# Altium PCB CMRat_GEN2.8.PcbDoc (part 1 of 4) (continued)
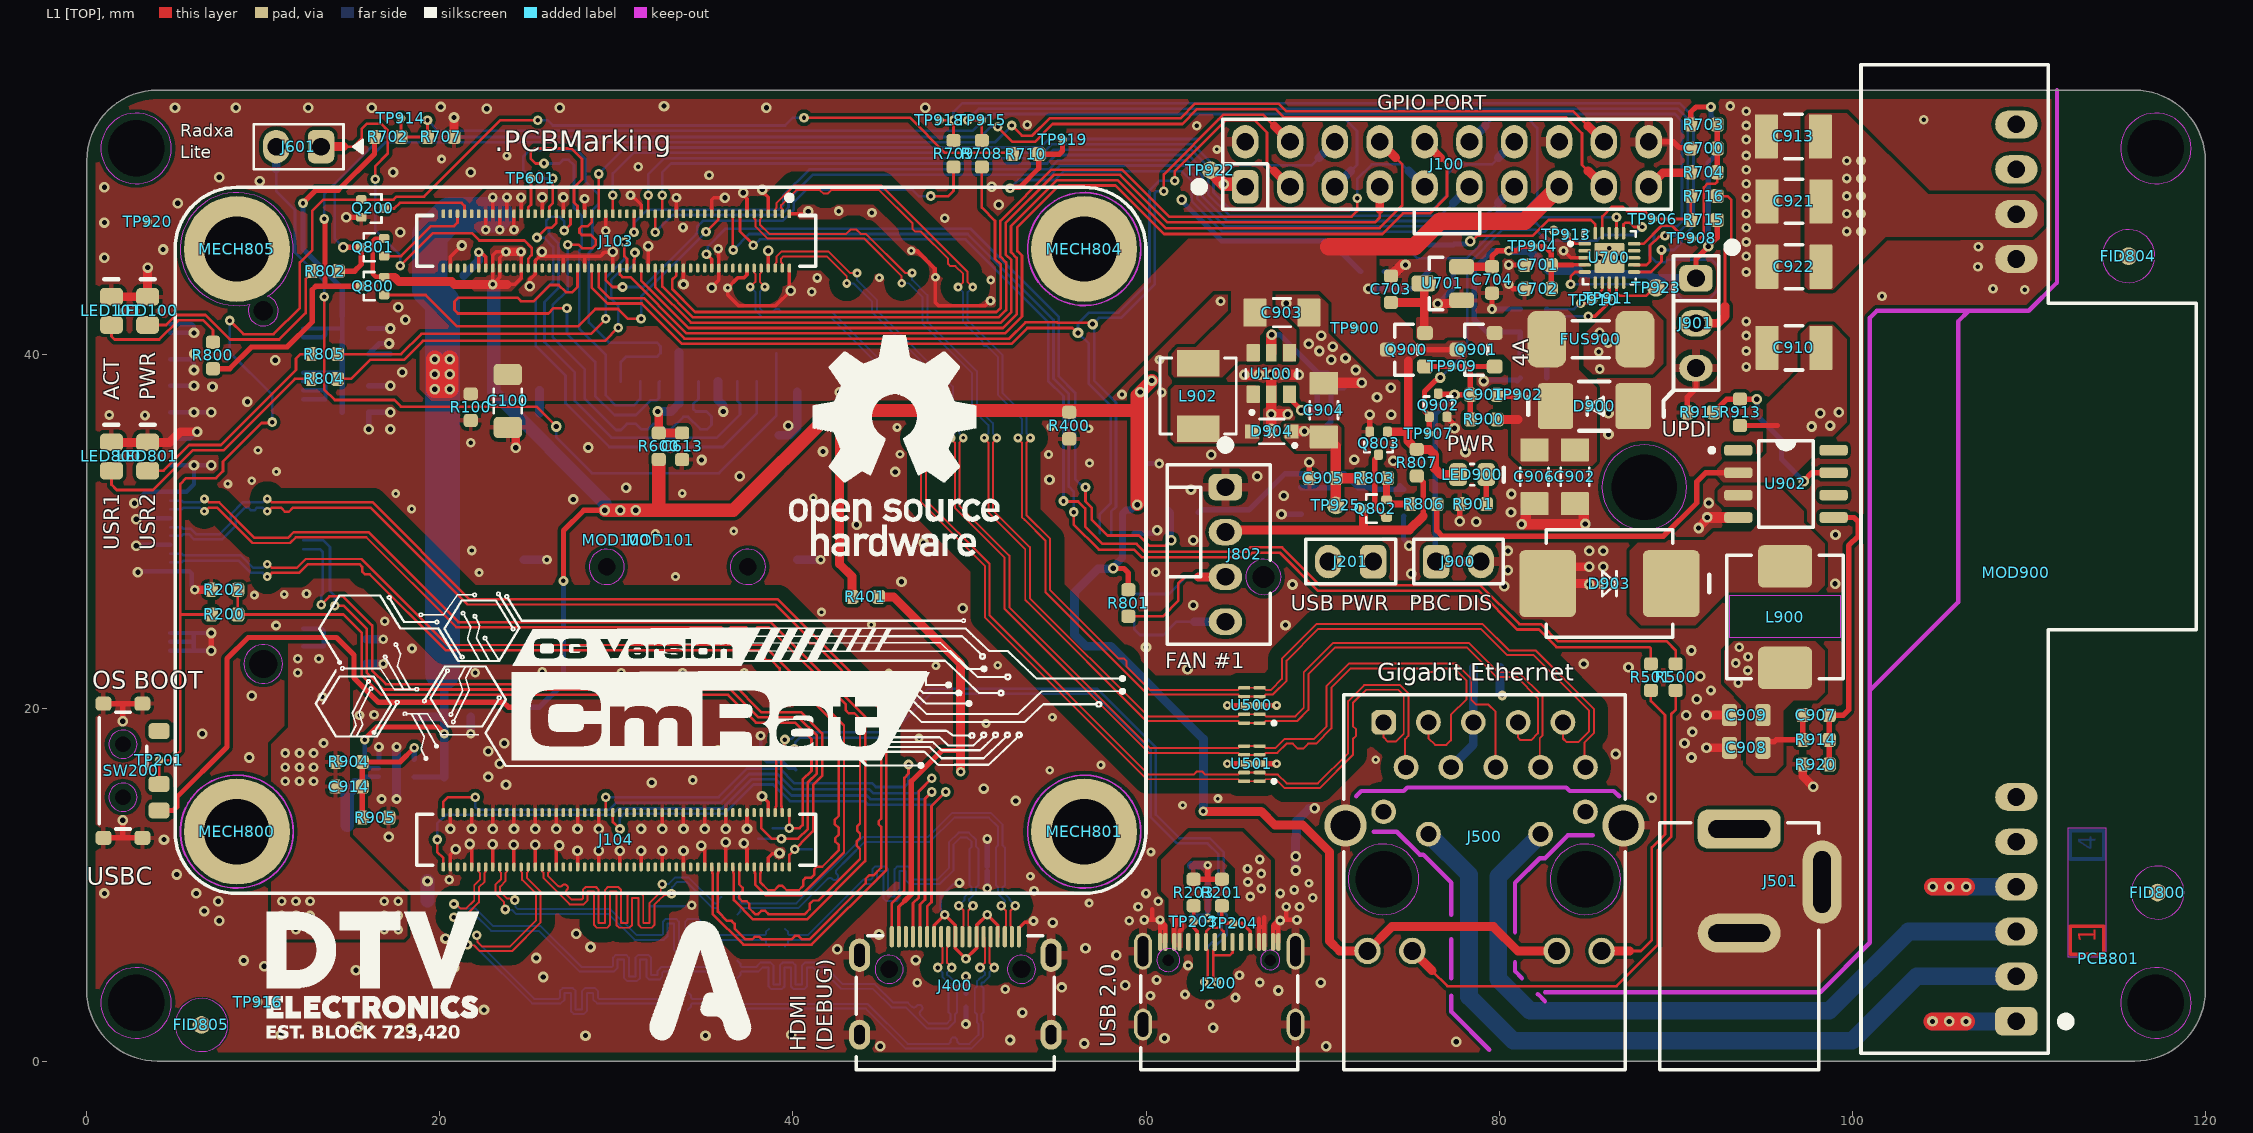
[diagram p0: L1 [TOP] view]
## Components (designator, comment, footprint, x,y, rotation, side; value= is the part's Value field where it differs from the comment) (continued)
MOD300 "MOD_SSD_NGFF" MOD_SSD_NGFF_2280_B+M_SAM_EVO850_H300 7.95,29.25 r0 bottom locked
MOD900 "DP9712" MOD_SDP_DP9700 109.3,30.2 r90 top locked
PCB801 "PCB_LAYER_STACKUP" PCB_STACKUP-4L_A2 114.5,5.8 r90 top
Q200 "DTC143ZE" PKG_SOT523_SC75_SOT416_P100_R 16.2,48.3 r270 top
Q800 "DTA143ZE" PKG_SOT523_SC75_SOT416_P100_R 16.2,43.9 r90 top
Q801 "DTA143ZE" PKG_SOT523_SC75_SOT416_P100_R 16.2,46.1 r90 top
Q802 "DTA143ZE" PKG_SOT523_SC75_SOT416_P100_R 72.975,31.3 r90 top
Q803 "DTC143ZE" PKG_SOT523_SC75_SOT416_P100_R 73.175,35 r180 top
Q900 "PMOS" PKG_SOT23-3_TO236 74.75,40.3 r90 top
Q901 "PMOS" PKG_SOT23-3_TO236 78.7,40.3 r90 top
Q902 "DTC143ZE" PKG_SOT523_SC75_SOT416_P100_R 76.55,37.15 r0 top
R100 "5k1" RES_0603_R 21.75,37.044 r270 top
R200 "1k" RES_0603_R 7.8,25.3 r180 top
R201 "5k1" RES_0603_R 64.3,9.55 r90 top
R202 "15k" RES_0603_R 7.8,26.7 r0 top
R203 "5k1" RES_0603_R 62.7,9.55 r90 top
R204 "DNP" RES_1206_R 71.625,25.8 r0 bottom
R205 "5k1" RES_0603_R 68.8,31.725 r270 bottom
R206 "100k" RES_0603_R 74.6,31.625 r90 bottom
R207 "1k" RES_0603_R 62.2,31.075 r0 bottom
R400 "2k" RES_0603_R 55.65,36 r90 top
R401 "0R" RES_0603_R 44.1,26.3 r180 top
R500 "470R" RES_0603_R 90,21.75 r270 top
R501 "470R" RES_0603_R 88.6,21.75 r270 top
R600 "0R" RES_0603_R 32.4,34.825 r270 top
R700 "2k" RES_0603_R 76.025,45.475 r90 bottom
R701 "2k" RES_0603_R 72.175,45.475 r90 bottom
R702 "2k" RES_0603_R 17.05,52.35 r0 top
R703 "15k" RES_0603_R 91.6,53.05 r180 top
R704 "470R" RES_0603_R 91.6,50.35 r0 top
R705 "2k" RES_0603_R 77.4,45.475 r270 bottom
R706 "20k" RES_0603_R 73.5,45.475 r90 bottom
R707 "20k" RES_0603_R 20.05,52.35 r180 top
R708 "2k" RES_0603_R 50.7,51.4 r270 top
R709 "2k" RES_0603_R 49.1,51.4 r270 top
R710 "2k" RES_0603_R 53.175,51.375 r0 top
R711 "DNP" RES_0603_R 81.95,40 r180 bottom
R712 "DNP" RES_0603_R 81.95,41.3 r180 bottom
R713 "1k" RES_0603_R 81.95,38.7 r0 bottom
R714 "1k" RES_0603_R 81.95,42.6 r0 bottom
R715 "15k" RES_0603_R 91.6,47.65 r0 top
R716 "100R" RES_0603_R 91.6,49 r180 top
R800 "15k" RES_0603_R 7.15,39.975 r270 top
R801 "36k" RES_0603_R 59,25.95 r90 top
R802 "2k" RES_0603_R 13.5,44.75 r0 top
R803 "0R" RES_0603_R 72.925,33.025 r180 top
R804 "15k" RES_0603_R 13.45,38.65 r180 top
R805 "2k" RES_0603_R 13.45,40.05 r180 top
R806 "0R" RES_0603_R 75.725,31.55 r0 top
R807 "0R" RES_0603_R 75.339,33.897 r90 top
R900 "15k" RES_0603_R 79.125,36.35 r0 top
R901 "15k" RES_0603_R 78.525,31.55 r0 top
R902 "300k" RES_0603_R 70.45,38.125 r180 bottom
R903 "5k1" RES_0603_R 70.45,36.85 r0 bottom
R904 "100k" RES_0603_R 14.85,16.95 r180 top
R905 "22k" RES_0603_R 16.35,13.8 r180 top
R913 "15k" RES_0603_R 93.65,36.75 r270 top
R914 "6.2k" RES_0603_R 97.95,18.2 r180 top
R915 "5k1" RES_0603_R 91.4,36.75 r180 top
R920 "2k" RES_0603_R 97.95,16.8 r180 top
SW200 "Slide switch" SWI_XKB_SS-3292S-L1 2.05,16.45 r270 top
TP200 "DEBUG" PCB_TP_DBG_50 38.85,13.2 r270 bottom
TP201 "DEBUG" PCB_TP_DBG_50 4.1,17.04 r90 top
TP203 "DEBUG" PCB_TP_DBG_50 62.7,7.9 r0 top
TP204 "DEBUG" PCB_TP_DBG_50 64.95,7.8 r0 top
TP300 "DEBUG" PCB_TP_DBG_50 38.05,12.6 r180 bottom
TP301 "DEBUG" PCB_TP_DBG_50 41.05,12 r270 bottom
TP303 "DEBUG" PCB_TP_DBG_50 18.25,6.3 r180 bottom
TP304 "ICT" PCB_TP_ICT_100 15.15,29.2 r180 bottom
TP409 "ICT" PCB_TP_ICT_100 49.5,17.6 r90 bottom
TP600 "DEBUG" PCB_TP_DBG_50 27.2,41.2 r90 bottom
TP601 "DEBUG" PCB_TP_DBG_50 25.161,50 r90 top
TP602 "DEBUG" PCB_TP_DBG_50 27.25,44.971 r90 bottom
TP603 "ICT" PCB_TP_ICT_100 33.55,40.15 r270 bottom
TP604 "DEBUG" PCB_TP_DBG_50 39.05,40.1 r90 bottom
TP605 "DEBUG" PCB_TP_DBG_50 16.35,48.25 r90 bottom
TP900 "DEBUG" PCB_TP_DBG_50 71.85,41.525 r270 top
TP902 "DEBUG" PCB_TP_DBG_50 81.075,37.75 r90 top
TP903 "ICT" PCB_TP_ICT_100 93.9,34.3 r90 bottom
TP904 "DEBUG" PCB_TP_DBG_50 81.9,46.15 r270 top
TP905 "ICT" PCB_TP_ICT_100 92.35,52.45 r270 bottom
TP906 "DEBUG" PCB_TP_DBG_50 88.7,47.7 r270 top
TP907 "DEBUG" PCB_TP_DBG_50 76.025,35.55 r270 top
TP908 "DEBUG" PCB_TP_DBG_50 90.905,46.601 r270 top
TP909 "DEBUG" PCB_TP_DBG_50 77.35,39.35 r270 top
TP910 "DEBUG" PCB_TP_DBG_50 85.324,43.102 r270 top
TP911 "DEBUG" PCB_TP_DBG_50 86.175,43.2 r270 top
TP913 "DEBUG" PCB_TP_DBG_50 83.809,46.819 r270 top
TP914 "DEBUG" PCB_TP_DBG_50 17.8,53.4 r270 top
TP915 "DEBUG" PCB_TP_DBG_50 50.7,53.3 r270 top
TP916 "DEBUG" PCB_TP_DBG_50 9.7,3.35 r225 top
TP917 "ICT" PCB_TP_ICT_100 65.7,2.5 r90 bottom
TP918 "DEBUG" PCB_TP_DBG_50 48.3,53.3 r270 top
TP919 "DEBUG" PCB_TP_DBG_50 55.275,52.2 r270 top
TP920 "DEBUG" PCB_TP_DBG_50 3.45,47.55 r315 top
TP921 "ICT" PCB_TP_ICT_100 62,2.75 r90 bottom
TP922 "ICT" PCB_TP_ICT_100 63.65,50.475 r0 top
TP923 "ICT" PCB_TP_ICT_100 88.9,43.8 r270 top
TP924 "ICT" PCB_TP_ICT_100 21.35,44.5 r180 bottom
TP925 "ICT" PCB_TP_ICT_100 70.75,31.475 r0 top
U100 "AP3031KTR-G1" PKG_SOT23-6_R 67.1,38.95 r0 top
U200 "RCLAMP0524PA" ICC_SLP2510P8_250X100X60_P50_R 63.5,9.6 r180 bottom
U201 "SY6280AAC" PKG_SOT23-5_R 71.625,31.45 r90 bottom
U400 "RCLAMP0524PA" ICC_SLP2510P8_250X100X60_P50_R 49.8,3.4 r180 bottom
U401 "RCLAMP0524PA" ICC_SLP2510P8_250X100X60_P50_R 51,11.137 r180 bottom
U500 "RCLAMP0524PA" ICC_SLP2510P8_250X100X60_P50_R 66,20.15 r90 top
U501 "RCLAMP0524PA" ICC_SLP2510P8_250X100X60_P50_R 66,16.85 r90 top
U700 "ATTINY806" ICC_QFN20_300X300X90_P40_EP_R 86.25,45.5 r270 top
U701 "AP2210N-3.3" PKG_SOT23-3L_SC59_P190_R 76.8,44.05 r90 top
U801 "EMC2301" ICC_TSSOP8_300X300X110P65 58.35,27.7 r0 bottom
U900 "AP3441/L" ICC_DFN8_200X200X90P50_EP_R 17.55,16.35 r270 bottom
U902 "TD1583" ICC_SO8_SOP8_490X390X160_P127_R 96.25,32.7 r270 top

## Footprints (in the part's own frame and the unit in brackets; to place one, negate y for a bottom-side part, rotate by r counter-clockwise, add the part's x,y. Pads: shape width x height; smd on the part's side, far side on the other; paste and mask are expansions set on the pad)
CAP_0402_R [mm] "Chip Capacitor, 2-Leads, Body 1,00x0,50mm, IPC Medium Density, Reflow Soldering"
  rrect24% 0.5x0.5 smd mask+0.085: 1(-0.45,0) 2(0.45,0)
  body extent -0.55,-0.3 0.55,0.3, height 0.56
CAP_0603_R [mm]
  rrect50% 0.75x0.8 smd: 1(-0.75,0) 2(0.75,0)
  body extent -0.8,-0.41 0.8,0.41, height 0.57
CAP_0805_R [mm]
  rrect40% 0.85x1.25 smd: 1(-0.95,0) 2(0.95,0)
  body extent -1,-0.62 1,0.63, height 0.6
CAP_1206_H190_R [mm] "Chip Capacitor, 2-Leads, Body 3,20x1,60mm, IPC Medium Density, Reflow Soldering"
  rrect8% 1.3x1.6 smd: 1(-1.525,0) 2(1.525,0)
  silkscreen extent -0.5,-0.8 0.5,0.8, body extent -1.75,-0.9 1.75,0.9, height 1.9
CAP_1206_R [mm]
  rrect40% 1.2x1.6 smd paste+0: 1(-1.5,0)
  rrect40% 1.2x1.6 smd: 2(1.5,0)
  silkscreen extent -0.7,-0.8 0.7,0.8, body extent -1.6,-0.8 1.6,0.8, height 0.79
CAP_1210_H280_R [mm] "Chip Capacitor, 2-Leads, Body 3,20x2,50mm, IPC Medium Density, Reflow Soldering"
  rrect8% 1.3x2.5 smd: 1(-1.525,0) 2(1.525,0)
  silkscreen extent -0.5,-1.25 0.5,1.25, body extent -1.85,-1.4 1.85,1.4, height 2.8
CON_GCT_MEM2055_R [mm]
  rrect50% 0.7x1.6 smd: 1(2.25,7) 2(1.15,7) 3(0.05,7) 4(-1.05,7) 5(-2.15,7) 6(-3.25,7) 7(-4.35,7) 8(-5.45,7) 9(-6.55,7)
  round 0 hole 1 unplated paste+0 mask+0.1: MH(-4.95,-3.5) MH(3.05,-3.5)
  rrect50% 1.2x1.4 smd: SH1(-7.75,6.4)
  rrect50% 1.2x2.2 smd: SH2(-7.75,-3.1) SH3(7.75,-3.1)
  rrect50% 1.6x1.4 smd: SH4(6.85,6.5)
  silkscreen extent -7.35,-7.5 7.35,8.47, body extent -8,-7.5 8,7.75, height 1.85
CON_HDR_P254_1X02_STR [mm]
  rrect50% 1.5x1.9 hole 1: 1(-1.27,0)
  oval 1.5x1.9 hole 1: 2(1.27,0)
  silkscreen extent -2.54,-1.27 2.54,1.27, body extent -2.54,-1.27 2.54,1.27, height 8.57
CON_HDR_P254_1X03_STR [mm]
  rrect50% 1.5x1.9 hole 1: 1(-2.54,0)
  oval 1.5x1.9 hole 1: 2(0,0) 3(2.54,0)
  silkscreen extent -4.55,-1.27 3.81,2.3, body extent -3.81,-1.27 3.81,1.27, height 8.57
CON_HDR_P254_2X10_STR [mm]
  rrect50% 1.5x1.9 hole 1: 1(-11.43,-1.275)
  oval 1.5x1.9 hole 1: 2(-11.43,1.275) 3(-8.89,-1.275) 4(-8.89,1.275) 5(-6.35,-1.275) 6(-6.35,1.275) 7(-3.81,-1.275) 8(-3.81,1.275) 9(-1.27,-1.275) 10(-1.27,1.275) 11(1.27,-1.275) 12(1.27,1.275) 13(3.81,-1.275) 14(3.81,1.275) 15(6.35,-1.275) 16(6.35,1.275) 17(8.89,-1.27) 18(8.89,1.275) 19(11.43,-1.275) 20(11.43,1.275)
  silkscreen extent -14.29,-2.55 12.7,2.55, body extent -12.7,-2.54 12.7,2.54, height 8.59
CON_HEADER_TMV_1X2_P254H857 [mm]
  rrect50% 1.5x1.9 hole 1: 1(-1.27,0)
  oval 1.5x1.9 hole 1: 2(1.27,0)
  silkscreen extent -3.62,-1.27 2.54,1.27, body extent -2.54,-1.27 2.54,1.27, height 8.57
CON_LPP_LPJG0926HENL [mm]
  rrect50% 1.4x1.4 hole 0.9: 1(-5.721,9.073)
  round 1.4 hole 0.9: 2(-4.451,6.533) 3(-3.181,9.073) 4(-1.911,6.533) 5(-0.641,9.073) 6(0.629,6.533) 7(1.899,9.073) 8(3.169,6.533) 9(4.439,9.073) 10(5.709,6.533) 11(-5.721,4.013) 12(-3.181,2.743) 13(3.169,2.743) 14(5.709,4.013)
  round 1.5 hole 1: 15(-6.636,-3.877) 16(-4.096,-3.877) 17(4.084,-3.877) 18(6.624,-3.877)
  round 0 hole 3.2 unplated mask+0.1: MH1(-5.721,0.183) MH2(5.709,0.183)
  round 2.4 hole 1.7: SH(-7.881,3.233) SH(7.869,3.233)
  silkscreen extent -7.97,-10.62 7.96,10.63, body extent -8.11,-10.63 8.11,10.63, height 13.45
CON_MLX_470531000 [mm]
  rrect50% 1.5x1.9 hole 1: 1(-3.81,0)
  oval 1.5x1.9 hole 1: 2(-1.27,0) 3(1.27,0) 4(3.81,0)
  round 0 hole 1.25 unplated mask+0.1: MH(1.27,2.16)
  silkscreen extent -6.45,-3.3 5.08,2.55, body extent -5.1,-3.3 5.1,2.54, height 10.1
CON_NGFF_KEY-M_P67_H420 [mm]
  rrect75% 0.3x1.55 smd: 1(-9.25,3.775) 2(-9,-3.775) 3(-8.75,3.775) 4(-8.5,-3.775) 5(-8.25,3.775) 6(-8,-3.775) 7(-7.75,3.775) 8(-7.5,-3.775) 9(-7.25,3.775) 10(-7,-3.775) 11(-6.75,3.775) 12(-6.5,-3.775) 13(-6.25,3.775) 14(-6,-3.775) 15(-5.75,3.775) 16(-5.5,-3.775) 17(-5.25,3.775) 18(-5,-3.775) 19(-4.75,3.775) 20(-4.5,-3.775) 21(-4.25,3.775) 22(-4,-3.775) 23(-3.75,3.775) 24(-3.5,-3.775) 25(-3.25,3.775) 26(-3,-3.775) 27(-2.75,3.775) 28(-2.5,-3.775) 29(-2.25,3.775) 30(-2,-3.775) 31(-1.75,3.775) 32(-1.5,-3.775) 33(-1.25,3.775) 34(-1,-3.775) 35(-0.75,3.775) 36(-0.5,-3.775) 37(-0.25,3.775) 38(0,-3.775) 39(0.25,3.775) 40(0.5,-3.775) 41(0.75,3.775) 42(1,-3.775) 43(1.25,3.775) 44(1.5,-3.775) 45(1.75,3.775) 46(2,-3.775) 47(2.25,3.775) 48(2.5,-3.775) 49(2.75,3.775) 50(3,-3.775) 51(3.25,3.775) 52(3.5,-3.775) 53(3.75,3.775) 54(4,-3.775) 55(4.25,3.775) 56(4.5,-3.775) 57(4.75,3.775) 58(5,-3.775) 67(7.25,3.775) 68(7.5,-3.775) 69(7.75,3.775) 70(8,-3.775) 71(8.25,3.775) 72(8.5,-3.775) 73(8.75,3.775) 74(9,-3.775) 75(9.25,3.775)
  rrect50% 1.2x2.75 smd: S1(-10.35,3) S2(10.35,3)
  round 0 hole 1.1 unplated mask+0.1: ""(-10,-1.5)
  round 0 hole 1.6 unplated mask+0.1: ""(10,-1.5)
  silkscreen extent -10.95,-4 10.95,5.22, body extent -10.95,-4.35 10.95,4.35, height 4.09
CON_XKB_A71-05H4-1X1N1 [mm] "Mini HDMI SMT Horizontal"
  rrect75% 0.23x1.2 smd: 1(3.6,3.75) 2(3.2,3.75) 3(2.8,3.75) 4(2.4,3.75) 5(2,3.75) 6(1.6,3.75) 7(1.2,3.75) 8(0.8,3.75) 9(0.4,3.75) 10(0,3.75) 11(-0.4,3.75) 12(-0.8,3.75) 13(-1.2,3.75) 14(-1.6,3.75) 15(-2,3.75) 16(-2.4,3.75) 17(-2.8,3.75) 18(-3.2,3.75) 19(-3.6,3.75)
  round 0 hole 1 unplated mask+0.1: MH1(-3.75,1.9) MH2(3.75,1.9)
  oval 1.2x1.7 hole 0.6 slot 1.1 at 90 deg: SH(-5.425,-1.8) SH(5.425,-1.8)
  oval 1.2x1.9 hole 0.6 slot 1.3 at 90 deg: SH(-5.425,2.7) SH(5.425,2.7)
  silkscreen extent -5.6,-3.8 5.6,3.8, body extent -5.62,-3.8 5.62,4.1, height 3.3
CON_XKB_DC-005-5A-2.0 [mm]
  rrect50% 2.2x4.7 hole 1 slot 3.5 at 90 deg: 1(5.9,0)
  oval 2.2x4.7 hole 1 slot 3.5 at 90 deg: 2(0,0)
  oval 4.7x2.2 hole 1 slot 3.5 at 0 deg: 3(2.9,-4.7)
  silkscreen extent -7.75,-4.5 6.25,4.5, body extent -7.75,-4.9 6.25,4.5, height 11.1
CON_XKB_U262-161N-4BVC11 [mm]
  rrect75% 0.25x1 smd: A1(-3.35,3.6) A4(-2.55,3.6) A5(-1.25,3.6) A6(-0.25,3.6) A7(0.25,3.6) A8(1.25,3.6) A9(2.55,3.6) A12(3.35,3.6) B1(3.05,3.6) B4(2.25,3.6) B5(1.75,3.6) B6(0.75,3.6) B7(-0.75,3.6) B8(-1.75,3.6) B9(-2.25,3.6) B12(-3.05,3.6)
  round 0 hole 0.65 unplated mask+0.1: MH1(-2.89,2.575) MH2(2.89,2.575)
  rrect100% 1x1.8 hole 0.6 slot 1.4 at 90 deg: SH(-4.32,-1.075) SH(4.32,-1.075)
  rrect100% 1x2.1 hole 0.6 slot 1.7 at 90 deg: SH(-4.32,3.075) SH(4.32,3.075)
  silkscreen extent -4.45,-3.65 4.45,1.67, body extent -4.45,-3.66 4.45,3.9, height 3.3
DIO_SMA_UNI_R [mm]
  rrect20% 2x2.6 smd: 1(-2.2,0)
  rrect20% 2x2.6 smd paste+0: 2(2.2,0)
  silkscreen extent -3.75,-1.4 0.85,1.4, body extent -2.74,-1.4 2.74,1.4, height 2.24
DIO_SMC_UNI_R [mm]
  rrect20% 3.2x3.8 smd: 1(-3.5,0) 2(3.5,0)
  silkscreen extent -5.65,-3.05 3.57,3.05, body extent -4.07,-3.05 4.06,3.05, height 2.4
DIO_SOD-323_R [mm] "Chip Diode SOD323, 2-Leads, Body 1,70x1,25mm, IPC Medium Density, Reflow Soldering"
  rrect3% 0.8x0.8 smd mask+0.085: A(1.125,0) K(-1.125,0)
  silkscreen extent -1.4,-0.7 0.7,0.9, body extent -1.3,-0.67 1.3,0.68, height 1.1
FUS_2410_R [mm]
  rrect50% 2.2x3.2 smd: 1(-2.5,0) 2(2.5,0)
  silkscreen extent -1.05,-1.05 1.06,1.05, body extent -3.05,-1.27 3.05,1.27, height 2.54
ICC_DFN8_200X200X90P50_EP_R [mm]
  rrect50% 0.3x0.8 smd: 1(-0.75,-1) 2(-0.25,-1) 3(0.25,-1) 4(0.75,-1) 5(0.75,1) 6(0.25,1) 7(-0.25,1) 8(-0.75,1)
  rrect50% 1.3x0.7 smd: EP(0,0)
  silkscreen extent -1,-1.95 1,0.3, body extent -1,-1.05 1,1.05, height 0.95
ICC_QFN20_300X300X90_P40_EP_R [mm]
  rrect75% 0.2x0.7 smd: 1(-0.8,-1.4) 2(-0.4,-1.4) 3(0,-1.4) 4(0.4,-1.4) 5(0.8,-1.4) 11(0.8,1.4) 12(0.4,1.4) 13(0,1.4) 14(-0.4,1.4) 15(-0.8,1.4)
  rrect75% 0.7x0.2 smd: 6(1.4,-0.8) 7(1.4,-0.4) 8(1.4,0) 9(1.4,0.4) 10(1.4,0.8) 16(-1.4,0.8) 17(-1.4,0.4) 18(-1.4,0) 19(-1.4,-0.4) 20(-1.4,-0.8)
  rrect10% 1.7x1.7 smd paste-10: EP(0,0)
  silkscreen extent -1.5,-2.3 1.5,1.5, body extent -1.5,-1.5 1.5,1.5, height 0.85
ICC_SLP2510P8_250X100X60_P50_R [mm]
  rrect50% 0.2x0.675 smd: 1(-1,-0.438) 2(-0.5,-0.438) 4(0.5,-0.437) 5(1,-0.437) 6(1,0.437) 7(0.5,0.437) 9(-0.5,0.437) 10(-1,0.437)
  rrect50% 0.4x0.775 smd: 3(0,-0.388) 8(0,0.387)
  silkscreen extent -1.1,-1.35 -0.9,-1.15, body extent -1.25,-0.5 1.25,0.51, height 0.56
ICC_SO8_SOP8_490X390X160_P127_R [mm]
  rrect50% 0.6x1.6 smd: 1(-1.905,-2.7) 2(-0.635,-2.7) 3(0.635,-2.7) 4(1.905,-2.7) 5(1.905,2.7) 6(0.635,2.7) 7(-0.635,2.7) 8(-1.905,2.7)
  silkscreen extent -2.45,-4.32 2.45,1.55, body extent -2.45,-3 2.45,3, height 1.75
ICC_TSSOP8_300X300X110P65 [mm] "TSOP, 8-pin, Body 3.00x3.00mm, Pitch 0.65mm"
  rrect50% 0.4x1.4 smd: 1(-0.975,-2.2) 2(-0.325,-2.2) 3(0.325,-2.2) 4(0.975,-2.2) 5(0.975,2.2) 6(0.325,2.2) 7(-0.325,2.2) 8(-0.975,2.2)
  silkscreen extent -1.87,-2.32 1.5,1.2, body extent -1.5,-2.45 1.5,2.45, height 1.1
IND_POWER_0402_R [mm]
  rect 1.5x2.4 smd: 1(-1.85,0) 2(1.85,0)
  silkscreen extent -2.15,-2.15 2.15,2.15, body extent -2,-2 2,2, height 1.8
IND_SUM_0624CDMCCDS_700X660X240_R [mm] "Molded Inductor, 2-Leads, Body 7,00x6,60mm, IPC Medium Density"
  rrect25% 2.4x3.05 smd: 1(-2.875,0) 2(2.875,0)
  silkscreen extent -3.5,-3.3 3.5,3.3, body extent -3.72,-3.3 3.72,3.3, height 2.4
IND_SUM_0630CDMCCDS_700X660X280_R [mm] "Molded Inductor, 2-Leads, Body 7,00x6,60mm, IPC Medium Density"
  rrect25% 2.4x3.05 smd: 1(-2.875,0) 2(2.875,0)
  silkscreen extent -3.5,-3.3 3.5,3.3, body extent -3.5,-3.3 3.5,3.3, height 3
LED_0805_GRN_R [mm]
  rrect50% 1x1.3 smd: 1(-0.8,0) 2(0.8,0)
  silkscreen extent -1.8,-0.6 0.1,0.6, body extent -1.01,-0.63 1.01,0.62, height 1.1
LED_0805_RED_R [mm]
  rrect50% 1x1.3 smd: 1(-0.8,0) 2(0.8,0)
  silkscreen extent -1.8,-0.6 0.1,0.6, body extent -1.01,-0.63 1.01,0.62, height 1.1
MOD_RPI_CM4_3D_C300_A1 [mm]
  body extent -20,-27.5 20,27.5, height 6.65
MOD_RPI_CM4_SOCKET_P40_C300 [mm]
  rrect75% 0.5x0.2 smd: 1(18.5,-7.3) 2(15.42,-7.3) 3(18.5,-6.9) 4(15.42,-6.9) 5(18.5,-6.5) 6(15.42,-6.5) 7(18.5,-6.1) 8(15.42,-6.1) 9(18.5,-5.7) 10(15.42,-5.7) 11(18.5,-5.3) 12(15.42,-5.3) 13(18.5,-4.9) 14(15.42,-4.9) 15(18.5,-4.5) 16(15.42,-4.5) 17(18.5,-4.1) 18(15.42,-4.1) 19(18.5,-3.7) 20(15.42,-3.7) 21(18.5,-3.3) 22(15.42,-3.3) 23(18.5,-2.9) 24(15.42,-2.9) 25(18.5,-2.5) 26(15.42,-2.5) 27(18.5,-2.1) 28(15.42,-2.1) 29(18.5,-1.7) 30(15.42,-1.7) 31(18.5,-1.3) 32(15.42,-1.3) 33(18.5,-0.9) 34(15.42,-0.9) 35(18.5,-0.5) 36(15.42,-0.5) 37(18.5,-0.1) 38(15.42,-0.1) 39(18.5,0.3) 40(15.42,0.3) 41(18.5,0.7) 42(15.42,0.7) 43(18.5,1.1) 44(15.42,1.1) 45(18.5,1.5) 46(15.42,1.5) 47(18.5,1.9) 48(15.42,1.9) 49(18.5,2.3) 50(15.42,2.3) 51(18.5,2.7) 52(15.42,2.7) 53(18.5,3.1) 54(15.42,3.1) 55(18.5,3.5) 56(15.42,3.5) 57(18.5,3.9) 58(15.42,3.9) 59(18.5,4.3) 60(15.42,4.3) 61(18.5,4.7) 62(15.42,4.7) 63(18.5,5.1) 64(15.42,5.1) 65(18.5,5.5) 66(15.42,5.5) 67(18.5,5.9) 68(15.42,5.9) 69(18.5,6.3) 70(15.42,6.3) 71(18.5,6.7) 72(15.42,6.7) 73(18.5,7.1) 74(15.42,7.1) 75(18.5,7.5) 76(15.42,7.5) 77(18.5,7.9) 78(15.42,7.9) 79(18.5,8.3) 80(15.42,8.3) 81(18.5,8.7) 82(15.42,8.7) 83(18.5,9.1) 84(15.42,9.1) 85(18.5,9.5) 86(15.42,9.5) 87(18.5,9.9) 88(15.42,9.9) 89(18.5,10.3) 90(15.42,10.3) 91(18.5,10.7) 92(15.42,10.7) 93(18.5,11.1) 94(15.42,11.1) 95(18.5,11.5) 96(15.42,11.5) 97(18.5,11.9) 98(15.42,11.9) 99(18.5,12.3) 100(15.42,12.3) 101(-15.42,-7.3) 102(-18.5,-7.3) 103(-15.42,-6.9) 104(-18.5,-6.9) 105(-15.42,-6.5) 106(-18.5,-6.5) 107(-15.42,-6.1) 108(-18.5,-6.1) 109(-15.42,-5.7) 110(-18.5,-5.7) 111(-15.42,-5.3) 112(-18.5,-5.3) 113(-15.42,-4.9) 114(-18.5,-4.9) 115(-15.42,-4.5) 116(-18.5,-4.5) 117(-15.42,-4.1) 118(-18.5,-4.1) 119(-15.42,-3.7) 120(-18.5,-3.7) 121(-15.42,-3.3) 122(-18.5,-3.3) 123(-15.42,-2.9) 124(-18.5,-2.9) 125(-15.42,-2.5) 126(-18.5,-2.5) 127(-15.42,-2.1) 128(-18.5,-2.1) 129(-15.42,-1.7) 130(-18.5,-1.7) 131(-15.42,-1.3) 132(-18.5,-1.3) 133(-15.42,-0.9) 134(-18.5,-0.9) 135(-15.42,-0.5) 136(-18.5,-0.5) 137(-15.42,-0.1) 138(-18.5,-0.1) 139(-15.42,0.3) 140(-18.5,0.3) 141(-15.42,0.7) 142(-18.5,0.7) 143(-15.42,1.1) 144(-18.5,1.1) 145(-15.42,1.5) 146(-18.5,1.5) 147(-15.42,1.9) 148(-18.5,1.9) 149(-15.42,2.3) 150(-18.5,2.3) 151(-15.42,2.7) 152(-18.5,2.7) 153(-15.42,3.1) 154(-18.5,3.1) 155(-15.42,3.5) 156(-18.5,3.5) 157(-15.42,3.9) 158(-18.5,3.9) 159(-15.42,4.3) 160(-18.5,4.3) 161(-15.42,4.7) 162(-18.5,4.7) 163(-15.42,5.1) 164(-18.5,5.1) 165(-15.42,5.5) 166(-18.5,5.5) 167(-15.42,5.9) 168(-18.5,5.9) 169(-15.42,6.3) 170(-18.5,6.3) 171(-15.42,6.7) 172(-18.5,6.7) 173(-15.42,7.1) 174(-18.5,7.1) 175(-15.42,7.5) 176(-18.5,7.5) 177(-15.42,7.9) 178(-18.5,7.9) 179(-15.42,8.3) 180(-18.5,8.3) 181(-15.42,8.7) 182(-18.5,8.7) 183(-15.42,9.1) 184(-18.5,9.1) 185(-15.42,9.5) 186(-18.5,9.5) 187(-15.42,9.9) 188(-18.5,9.9) 189(-15.42,10.3) 190(-18.5,10.3) 191(-15.42,10.7) 192(-18.5,10.7) 193(-15.42,11.1) 194(-18.5,11.1) 195(-15.42,11.5) 196(-18.5,11.5) 197(-15.42,11.9) 198(-18.5,11.9) 199(-15.42,12.3) 200(-18.5,12.3)
  silkscreen extent -20,-27.5 20,27.5, body extent -18.64,-8.8 18.64,13.8, height 2.9
MOD_SDP_DP9700 [mm]
  rrect50% 1.6x2.4 hole 1: 1(-27.94,0)
  oval 1.6x2.4 hole 1: 2(-25.4,0) 3(-22.86,0) 6(-15.24,0) 7(15.24,0) 8(17.78,0) 9(20.32,0) 10(22.86,0)
  oval 1.55x2.4 hole 1: 4(-20.32,0)
  oval 1.5x2.4 hole 1: 5(-17.78,0)
  silkscreen extent -29.76,-10.2 26.24,8.8, body extent -29.76,-10.2 26.24,8.8, height 14.5
MOD_SSD_NGFF_2280_B+M_SAM_EVO850_H300 [mm]
  body extent 0,-11.37 80.15,10.78, height 4.5
PCB_BLANK_COMP_SMD [mm]
  round 0.1 on Mech16: SMD(0,0)
PCB_FID_RND_100X300 [mm]
  round 1 smd paste-10 mask+1: 0(0,0)
  L1 [TOP] pour cut-out: -1.6,0 -1.6,-0.158 -1.539,-0.467 -1.418,-0.758 -1.243,-1.02 -1.02,-1.243 -0.758,-1.418 -0.467,-1.539 -0.158,-1.6 0,-1.6 0.158,-1.6 0.467,-1.539 0.758,-1.418 1.02,-1.243 1.243,-1.02 1.418,-0.758 1.539,-0.467 1.6,-0.158 1.6,0 1.6,0.158 1.539,0.467 1.418,0.758 1.243,1.02 1.02,1.243 0.758,1.418 0.467,1.539 0.158,1.6 0,1.6 -0.158,1.6 -0.467,1.539 -0.758,1.418 -1.02,1.243 -1.243,1.02 -1.418,0.758 -1.539,0.467 -1.6,0.158 -1.6,0
  L1 [TOP] keep-out circle w0.05: c0,0 r1.5
PCB_STACKUP-4L_A2 [mm]
  L1 [TOP] pour cut-out: 0,2.4 7.5,2.4 7.5,0 0,0
  L1 [TOP] lines w0.2: 0.25,2.15 0.25,0.25 1.85,0.25 1.85,2.15 0.25,2.15
  L2 lines w0.2: 2.05,2.15 2.05,0.25 3.65,0.25 3.65,2.15 2.05,2.15
  L3 lines w0.2: 3.85,2.15 3.85,0.25 5.45,0.25 5.45,2.15 3.85,2.15
  L4 [BOT] pour cut-out: 7.5,2.4 0,2.4 0,0 7.5,0
  L4 [BOT] lines w0.2: 5.65,2.15 5.65,0.25 7.25,0.25 7.25,2.15 5.65,2.15
  Keep-Out Layer region: 0.1,0.1 7.4,0.1 7.4,2.3 0.1,2.3
PCB_TP_DBG_50 [mm] "Testpoint"
  round 0.5 smd paste-10: 1(0,0)
PCB_TP_ICT_100 [mm] "testpoint"
  round 1 smd paste-10: 1(0,0)
PCB_WRT_9774030151 [mm] "SMT Steel Spacer with internal Thread M2.5, height 3mm"
  round 6 / inner round 0 / far side round 0 hole 3.7 unplated: 1(0,0)
  body extent -2.55,-2.55 2.55,2.55, height 3
PKG_SOT23-3_TO236 [mm]
  rrect50% 0.8x0.9 smd: 1(-0.95,-1.05) 2(0.95,-1.05) 3(0,1.05)
  silkscreen extent -1.45,-0.65 1.45,0.65, body extent -1.44,-1.22 1.44,1.22, height 1
PKG_SOT23-3L_SC59_P190_R [mm]
  rrect50% 0.9x1.4 smd: 1(-0.95,-1.075) 2(0.95,-1.075) 3(0,1.075)
  silkscreen extent -1.5,0 1.5,0.75, body extent -1.5,-1.4 1.5,1.4, height 1.25
PKG_SOT23-5_R [mm] "SOT23-5, 5-Leads, Body 3,2x3,1mm, Pitch 0,95mm, IPC Medium Density, Reflow Soldering"
  rrect13% 0.75x1 smd: 1(-0.95,-1.175) 3(0.95,-1.175)
  rrect17% 0.6x1 smd: 2(0,-1.175)
  rrect12% 0.85x1 smd: 4(0.95,1.175) 5(-0.95,1.175)
  silkscreen extent -1.45,-0.25 1.45,0.25, body extent -1.44,-1.4 1.46,1.4, height 1.45
PKG_SOT23-6_R [mm] "SOT23-6, 6-Leads, Body 3,2x3,1mm, Pitch 0,95mm, IPC Medium Density, Reflow Soldering"
  rrect13% 0.75x1 smd: 1(-1.025,-1.175) 3(1.025,-1.175) 4(1.025,1.175) 6(-1.025,1.175)
  rrect17% 0.6x1 smd: 2(0,-1.175) 5(0,1.175)
  silkscreen extent -1.45,-2.3 1.45,0.25, body extent -1.45,-1.4 1.45,1.4, height 1.45
PKG_SOT523_SC75_SOT416_P100_R [mm]
  rrect50% 0.5x0.6 smd: 1(-0.5,-0.65) 2(0.5,-0.65) 3(0,0.65)
  silkscreen extent -0.8,-0.1 0.8,0.5, body extent -0.8,-0.79 0.8,0.81, height 0.79
RES_0402_R [mm] "Chip Resistor, 2-Leads, Body 1,00x0,50mm, IPC Medium Density, Reflow Soldering"
  rrect24% 0.5x0.5 smd mask+0.085: 1(-0.45,0) 2(0.45,0)
  body extent -0.52,-0.28 0.53,0.28, height 0.4
RES_0603_R [mm]
  rrect50% 0.75x0.8 smd: 1(-0.75,0) 2(0.75,0)
  body extent -0.8,-0.4 0.8,0.4, height 0.3
RES_1206_R [mm]
  rrect50% 1.1x1.7 smd: 1(-1.35,0) 2(1.35,0)
  silkscreen extent -0.5,-0.8 0.5,0.8, body extent -1.6,-0.8 1.6,0.8, height 0.6
SWI_XKB_SS-3292S-L1 [mm]
  rrect50% 0.9x1.2 smd: 1(-2.25,2.05) 2(0.75,2.05) 3(2.25,2.05)
  round 0 hole 0.9 unplated mask+0.1: MH1(-1.5,0) MH1(1.5,0)
  rrect50% 0.8x0.9 smd: SH(-3.8,-1.1) SH(-3.8,1.1) SH(3.8,-1.1) SH(3.8,1.1)
  silkscreen extent -3.3,-1.35 3.3,1.35, body extent -3.9,-1.38 3.9,2.37, height 2.9

## Part data
C100: library part CAP-0025, "Capacitor; MLCC; 100uF 6V3", Manufacturer="Taiyo Yuden", MPN=JMK316ABJ107ML-T, Package (Case)=1206, Component Subtype=MLCC, Component Type=Capacitor, Mounting Type=SMD
C200 C908 C909 C911: library part CAP-0024, "Capacitor; MLCC; 22u 16V", Manufacturer="Samsung Electro-Mechanics", MPN=CL21A226MOQNNNE, Package (Case)=0805, Component Subtype=MLCC, Component Type=Capacitor, Mounting Type=SMD
C303 C307 C309 C613 C702 C703 C704 C900 C912 C915 C916 C917 C918 C919 C920: library part CAP-0023, "CAP SMD 10u/10V ±10% 10V X5R (0603)", Manufacturer="Samsung Electro-Mechanics", MPN=CL10A106KP8NNNC, Package (Case)=0603, Component Subtype=MLCC, Component Type=Capacitor, Mounting Type=SMD
C304 C308 C310 C500 C700 C701 C800 C901: library part CAP-0008, "Capacitor; MLCC; 100nF; 10V X5R", Manufacturer=YAGEO, MPN=CC0603KRX7R9BB104, Package (Case)=0603, Component Subtype=MLCC, Component Type=Capacitor, Mounting Type=SMD
C400 C401 C402 C403 C404 C405 C406 C407: library part ITEM_R10045, "RES SMD 0Ω ±1% 62.5mW ±800ppm (0402)"
C400 C401 C402 C403 C404 C405 C406 C407: library part ITEM_C10044, "CAP SMD 220n/50V ±10% 50V X5R (0402)", Manufacturer="Murata Electronics", MPN=GRM155R61H224KE01D, Package (Case)=0402, Component Subtype=MLCC, Component Type=Capacitor, Mounting Type=SMD
C902 C906: library part ITEM_C10039, "CAP SMD 100u/6.3V ±20% 6.3V X5R (1206)", Manufacturer="Samsung Electro-Mechanics", MPN=CL31A107MQHNNNE, Package (Case)=1206, Component Subtype=MLCC, Component Type=Capacitor, Mounting Type=SMD
C903 C904: library part ITEM_C10004, "CAP SMD 10u/50V ±10% 50V X5R (1206)", Manufacturer="Samsung Electro-Mechanics", MPN=CL31A106KBHNNNE, Package (Case)=1206, Component Subtype=MLCC, Component Type=Capacitor, Mounting Type=SMD
C905: library part ITEM_C10014, "CAP SMD 1u/50V ±10% 50V X5R (0603)", Manufacturer="Samsung Electro-Mechanics", MPN=CL10A105KB8NNNC, Package (Case)=0603, Component Subtype=MLCC, Component Type=Capacitor, Mounting Type=SMD
C907: library part CAP-0018, Package (Case)=0603, Component Subtype=MLCC, Component Type=Capacitor, Mounting Type=SMD
C910 C913 C921 C922: library part ITEM_C10033, "CAP SMD 100u/16V ±20% 16V X5R (1210)", Manufacturer=Chinocera, MPN=HGC1210R5107M160NSVK, Package (Case)=1210, Component Subtype=MLCC, Component Type=Capacitor, Mounting Type=SMD
C914: library part CAP-0023, "Capacitor; MLCC; 22p 50V", Manufacturer="Samsung Electro-Mechanics", MPN=CL10C220JB8NNNC, Package (Case)=0603, Component Subtype=MLCC, Component Type=Capacitor, Mounting Type=SMD
D900: library part DIO_TVS_UNI_KA, "Diode; Schottky; Unipolar; SMAj5.0A", Manufacturer=Littelfuse, Package (Case)=SMA, Component Subtype="TVS Diode", Component Type=Diode, Mounting Type=SMD, MPN=SMAJ5.0A
D901 D902: library part DIO_TVS_UNI_KA, "Diode; Schottky; Unipolar; SS13", Manufacturer="ON Semi", MPN=SS13, Package (Case)="DO-214AC (SMA)", Component Subtype="TVS Diode", Component Type=Diode, Mounting Type=SMD
D903: library part DIO_TVS_UNI_KA, "Diode; Schottky; Unipolar; SK33", Manufacturer=Littelfuse, MPN=SK33, Package (Case)=SMC, Component Subtype="TVS Diode", Component Type=Diode, Mounting Type=SMD
D904: library part ITEM_D10006, "DIODE SMD / SCHOTTKY / 40V 1A 600mV @ 1A  (SOD-323)", Manufacturer="Guangdong Hottech", MPN=1N5819WS, Package (Case)=SOD-323
FID800 FID801 FID802 FID803 FID804 FID805: library part PCB_FID_RND, "PCB Marking; Fiducial; Round;", Component Type=Fiducial
FUS900: library part FUS, "Fuse 4A", Manufacturer="Bel Fuse", MPN=0679L4000-01, Package (Case)=SMD,6.1x2.5mm, Mounting Type=SMD
J100: library part CON_2X10_ROW, "CONN THT / HEADER / PITCH 2,54mm / VERTICAL / (20 PIN) 2x10", Manufacturer="Ckmtw(Shenzhen Cankemeng)", MPN=B-2100S20P-B110, Package (Case)=THT, Component Subtype="Pin Header", Component Type=Connector, Mounting Type=THT
J103 J104: library part BOM_CON, "Connector; DF40HC(3.0)-100DS-0.4V", Manufacturer=Hirose, MPN=DF40HC(3.0)-100DS-0.4V, Package (Case)=SMD, Component Subtype=Microminiature, Component Type=Connector, Mounting Type=SMD
J200: library part CON_USB_TYPE_C_16P, "Connector; USB 3.1 Type C; Receptacle; 24-pin; USB 2.0 Only;", Manufacturer="XKB Connectivity", Package (Case)=SMD, Component Subtype=USB-C, Component Type=Connector, Mounting Type=SMD, MPN=U262-161N-4BVC11
J201 J900: library part CON-0020, "CONN THT / HEADER / PITCH 2,54mm / VERTICAL / (2 PIN)", Manufacturer="Ckmtw(Shenzhen Cankemeng)", MPN=B-2100S02P-A110, Package (Case)=THT, Component Subtype="Pin Header", Component Type=Connector, Mounting Type=THT
J300: library part CON_NGFF_M-KEY_A2, "Connector; NGFF (M.2); M-Key;", Manufacturer=Lotes, MPN=APCI0107-P001A, Package (Case)=SMD, Component Subtype="M.2 Socket (M-Key)", Component Type=Connector, Mounting Type=SMD
J400: library part CON_HDMI_1.4+_MINI_TYPE_C_A1, "Connector; HDMI v1.4+; Type C (Mini-HDMI);", Manufacturer="XKB Connectivity", MPN=A71-05H4-111N1, Package (Case)=SMD, Component Subtype="Mini HDMI (Type C)", Component Type=Connector, Mounting Type=SMD
J500: library part CON_LPP_LPJG0926HENL, "Connector; RJ45;", Manufacturer=Link-PP, Package (Case)=THT, Component Subtype=RJ45, Component Type=Connector, Mounting Type=THT, MPN=LPJG0926HENL
J501: library part CON_XKB_DC-005-5A-2.0, "Connector; DC Barrel Jack;", Manufacturer="XKB Connectivity", MPN=DC-005-5A-2.0, Package (Case)=THT, Component Subtype="DC Barrel Jack", Component Type=Connector, Mounting Type=THT
J600: library part CON_GCT_MEM2055, "Connector; MicroSD Card Connector;", Manufacturer=TF-015, Package (Case)=SMD, Component Subtype="MicroSD Card", Component Type="Card Socket", Mounting Type=SMD, MPN=TF-015
J601: library part ITEM_J10014, "CONN THT / HEADER / PITCH 2,54mm / VERTICAL / (2 PIN)", Manufacturer="Ckmtw(Shenzhen Cankemeng)", MPN=B-2100S02P-A110, Package (Case)=THT, Component Subtype="Pin Header", Component Type=Connector, Mounting Type=THT
J802: library part CON_1X04_COL, "Connector; 1 Row; 470531000", Manufacturer=Molex, MPN=470531000, Package (Case)=THT, Component Subtype="Pin header", Component Type=Connector, Mounting Type=THT
J901: library part CON_1X03_COL, "CONN THT / HEADER / PITCH 2,54mm / VERTICAL / (3 PIN)", Manufacturer="Ckmtw(Shenzhen Cankemeng)", MPN=B-2100S03P-A110, Package (Case)=THT, Component Subtype="Pin Header", Component Type=Connector, Mounting Type=THT
L900: library part IND, "Inductor; 15u", Manufacturer="Changjiang Microelectronics Tech", MPN=FXL0630-150-M, Package (Case)=SMD, Component Subtype="Power Inductor", Component Type=Inductor, Mounting Type=SMD
L901 L903: library part IND, "Inductor; 2u2", Manufacturer="Changjiang Microelectronics Tech", MPN=FXL0624-2R2-M, Package (Case)=SMD, Component Subtype="Power Inductor", Component Type=Inductor, Mounting Type=SMD
L902: library part ITEM_L10009, "INDUCTOR SMD COIL / 4u7 ±20% / Power inductor Ir 2.8A Isat 3A (SMD,4.2x4.4mm)", Manufacturer="cjiang (Changjiang Microelectronics Tech)", MPN=FXL0420-4R7-M, Package (Case)=SMD,4.2x4.4mm, Component Subtype="Power Inductor", Component Type=Inductor, Mounting Type=SMD
LED100 LED801: library part DIO_LED_RED, "Diode; LED; Red;", Manufacturer="Foshan NationStar Optoelectronics", MPN=NCD0805R1, Package (Case)=0805, Component Subtype="LED Diode", Component Type=LED, Mounting Type=SMD
LED101 LED800 LED900: library part DIO_LED_GRN, "Diode; LED; Green;", Manufacturer="Foshan NationStar Optoelectronics", MPN=NCD0805G1, Package (Case)=0805, Component Subtype="LED Diode", Component Type=LED, Mounting Type=SMD
MECH301: library part PCB_MECH_WRT_WA-SMSI, "PCB; Mechanical; SMT Steel Spacer; M2.5;", Manufacturer="Wurth Elektronik", MPN="977 402 515 1", Package (Case)=SMD, Component Subtype="SMD Spacer", Component Type="Spacer (Standoff)", Mounting Type=SMD
MECH800 MECH801 MECH804 MECH805: library part PCB_MECH_WRT_WA-SMSI, "PCB; Mechanical; SMT Steel Spacer; M2.5;", Manufacturer="Wurth Elektronik", MPN="977 403 015 1", Package (Case)=SMD, Component Subtype="SMD Spacer", Component Type="Spacer (Standoff)", Mounting Type=SMD
MOD100: library part MOD_RPI_CM4_VAR2, "PCB Module; RPi Compute Module 4;", Manufacturer="Raspberry Pi Foundation", MPN="CM4 Module", Component Subtype="Raspberry Pi CM4", Component Type="PCB Module"
MOD101: library part MOD_CM4_3D_MODEL, "PCB Module; RPi Compute Module 4; 3D model", Component Subtype="3D STEP Model", Component Type="PCB Module"
MOD300: "Module; SSD Disk; NGFF M.2;", Component Type="M.2 Module (NGFF)"
MOD900: library part MOD_SDP_DP9700, "PCB Module; PoE Module;", Manufacturer=SDaPo, Component Type="PCB Module", Mounting Type=THT, MPN=DP9712
Q200 Q803 Q902: library part TRA_BJT_NPN_DIG_BEC, "Transistor; BJT; NPN; Digital;", Manufacturer="On Semiconductor", Package (Case)=SOT-523, Component Subtype="NPN Transistor", Component Type=Transistor, Mounting Type=SMD, MPN=DTC143ZE
Q800 Q801 Q802: library part TRA_BJT_PNP_DIG_ONS_DTA143ZE, "Transistor; BJT; PNP; Digital;", Manufacturer="On Semiconductor", Package (Case)=SOT-523, Component Subtype=PNPTransistor, Component Type=Transistor, Mounting Type=SMD, MPN=DTA143ZE
Q900 Q901: library part TRA_PMOS_GSD, "Transistor; PMOS;", Manufacturer=Vishay, MPN=SI2305CDS-T1-GE3, Package (Case)=SOT23, Component Subtype=P-MOSFET, Component Type=Transistor, Mounting Type=SMD
R100 R201 R203 R205 R903 R915: library part RES-0043, "Resistor; Thick Film; 5k1; 1%; 100mW; 100PPM; 75V; Standard; SMD; 0603 (1608);", Manufacturer="UNI-ROYAL(Uniroyal Elec)", MPN=0603WAF5101T5E, Package (Case)=0603, Component Subtype="Thick Film", Component Type=Resistor, Mounting Type=SMD
R200 R207 R713 R714: library part RES-0027, "Resistor; Thick Film; 1k; 1%; 100mW; 100PPM; 75V; Standard; SMD; 0603 (1608);", Manufacturer="UNI-ROYAL(Uniroyal Elec)", MPN=0603WAF1001T5E, Package (Case)=0603, Component Subtype="Thick Film", Component Type=Resistor, Mounting Type=SMD
R202 R703 R715 R800 R804 R900 R901 R913: library part RES-0043, "Resistor; Thick Film; 15k; 1%; 100mW; 100PPM; 75V; Standard; SMD; 0603 (1608);", Manufacturer="UNI-ROYAL(Uniroyal Elec)", MPN=0603WAF1502T5E, Package (Case)=0603, Component Subtype="Thick Film", Component Type=Resistor, Mounting Type=SMD
R204: library part RES-0060, Package (Case)=1206, Component Subtype="Thick Film", Component Type=Resistor, Mounting Type=SMD
R206 R904: library part RES-0029, "Resistor; Thick Film; 100k; 1%; 100mW; 100PPM; 75V; Standard; SMD; 0603 (1608);", Manufacturer="UNI-ROYAL(Uniroyal Elec)", MPN=0603WAF1003T5E, Package (Case)=0603, Component Subtype="Thick Film", Component Type=Resistor, Mounting Type=SMD
R400 R700 R701 R702 R705 R708 R709 R710 R802 R805 R920: library part RES-0033, "Resistor; Thick Film; 2k2; 1%; 100mW; 100PPM; 75V; Standard; SMD; 0603 (1608);", Manufacturer="UNI-ROYAL(Uniroyal Elec)", MPN=0603WAF2001T5E, Package (Case)=0603, Component Subtype="Thick Film", Component Type=Resistor, Mounting Type=SMD
R401 R600 R803 R806 R807: library part RES-0054, "Resistor; Thick Film; 0R; SMD; 0603 (1608);", Manufacturer="UNI-ROYAL(Uniroyal Elec)", MPN=0603WAF0000T5E, Package (Case)=0603, Component Subtype="Thick Film", Component Type=Resistor, Mounting Type=SMD
R500 R501 R704: library part RES-0042, "Resistor; Thick Film; 470R; 1%; 100mW; 100PPM; 75V; Standard; SMD; 0603 (1608);", Manufacturer="UNI-ROYAL(Uniroyal Elec)", MPN=0603WAF4700T5E, Package (Case)=0603, Component Subtype="Thick Film", Component Type=Resistor, Mounting Type=SMD
R706 R707: library part RES-0054, "Resistor; Thick Film; 20k; SMD; 0603 (1608);", Manufacturer="UNI-ROYAL(Uniroyal Elec)", MPN=0603WAF2002T5E, Package (Case)=0603, Component Subtype="Thick Film", Component Type=Resistor, Mounting Type=SMD
R711 R712: library part RES-0051, Package (Case)=0603, Component Subtype="Thick Film", Component Type=Resistor, Mounting Type=SMD
R716: library part RES-0026, "Resistor; Thick Film; 100R; 1%; 100mW; 100PPM; 75V; Standard; SMD; 0603 (1608);", Manufacturer="UNI-ROYAL(Uniroyal Elec)", MPN=0603WAF1000T5E, Package (Case)=0603, Component Subtype="Thick Film", Component Type=Resistor, Mounting Type=SMD
R801: library part RES-0054, "Resistor; Thick Film; 36k; SMD; 0603 (1608);", Manufacturer="UNI-ROYAL(Uniroyal Elec)", MPN=0603WAF3602T5E, Package (Case)=0603, Component Subtype="Thick Film", Component Type=Resistor, Mounting Type=SMD
R902: library part RES-0043, "Resistor; Thick Film; 5k1; 1%; 100mW; 100PPM; 75V; Standard; SMD; 0603 (1608);", Manufacturer="UNI-ROYAL(Uniroyal Elec)", MPN=0603WAF3003T5E, Package (Case)=0603, Component Subtype="Thick Film", Component Type=Resistor, Mounting Type=SMD
R905: library part RES-0034, "Resistor; Thick Film; 22k; 1%; 100mW; 100PPM; 75V; Standard; SMD; 0603 (1608);", Manufacturer="UNI-ROYAL(Uniroyal Elec)", MPN=0603WAF2202T5E, Package (Case)=0603, Component Subtype="Thick Film", Component Type=Resistor, Mounting Type=SMD
R914: library part RES-0054, "Resistor; Thick Film; 6k2; SMD; 0603 (1608);", Manufacturer="UNI-ROYAL(Uniroyal Elec)", MPN=0603WAF6201T5E, Package (Case)=0603, Component Subtype="Thick Film", Component Type=Resistor, Mounting Type=SMD
SW200: library part SWI_SPDT_3P_SH1, "Switch; SPDT;", Manufacturer="XKB Connectivity", MPN=SS-3292S-L1, Package (Case)=SMD, Component Subtype=Slide, Component Type=Switch, Mounting Type=SMD
TP200 TP201 TP203 TP204 TP300 TP301 TP303 TP600 TP601 TP602 TP604 TP605 TP900 TP902 TP904 TP906 TP907 TP908 TP909 TP910 TP911 TP913 TP914 TP915 TP916 TP918 TP919 TP920: library part PCB_TP_DBG, "PCB Marking; Test Point (Debug);", Component Type=Testpoint
TP304 TP409 TP603 TP903 TP905 TP917 TP921 TP922 TP923 TP924 TP925: library part PCB_TP_ICT, "Test Point (ICT)", Component Type="Testpoint (for ICT)", Mounting Type="Non component"
U100: library part ITEM_U10019, "IC SMD / REGULATOR - CONVERTER (INT SWI) - DC/DC - STEP-UP / 1.4A 2.7-16VIN 1MHz (SOT-23-6)", Manufacturer="Diodes Incorporated", Package (Case)=SOT-23-6, MPN=AP3031KTR-G1
U200 U400 U401 U500 U501: library part ICC-0005, "IC; TVS Arrays; ESD Protection; 4-Channel; 17kV Air; 12kV Contact; 0.3pF Capitance; TBD; SMD; TBD;", Manufacturer="Semtech Corporation", MPN=RCLAMP0524PATCT, Package (Case)=DFN-10(1x2.5), Component Subtype="TVS Arrays", Component Type=IC, Mounting Type=SMD
U201: library part ITEM_U10052, "IC SMD / LOAD SWITCH / 2.4V - 5.5V (SOT-23-5)", Manufacturer="Silergy Corp", Package (Case)=SOT-23-5, Mounting Type=SMD, MPN=SY6280AAC
U700: library part ICC_MCP_ATTINY406_806_1606_VQFN20, "IC; MCU; tinyAVR 8-bit MCU, 20MHz, 8kB flash, 512B RAM, USART, SPI, TWI, VQFN package", Manufacturer="Microchip Technology (Atmel)", MPN=ATTINY806-MNR, Package (Case)=VQFN20, Component Type=IC, Mounting Type=SMD
U701: library part ICC_DIO_AP2210N-3.3TR, "ICC; LDO regulator; AP2210N-3.3, Ultra-low dropout voltage regulator, Vout = 3.3V, 300 mA, SOT23-3 package", Manufacturer="Diodes Incorporated", MPN=AP2210N-3.3TRG1, Package (Case)=SOT23-3, Component Type=IC, Mounting Type=SMD
U801: library part ICC_MCP_EMC2301_MSOP-8, "IC; Fan controller;", Manufacturer="Microchip Technology", MPN=EMC2301-1-ACZL-TR, Package (Case)=MSOP-8, Component Subtype="Fan controller", Component Type=IC, Mounting Type=SMD
U900: library part ICC_DDS_AP3441/L_DFN2020-8, "IC; Buck regulator; AP3441", Manufacturer="Diodes Incorporated", MPN=AP3441SHE-7B, Package (Case)=U-DFN2020-8, Component Type=IC, Mounting Type=SMD
U902: library part ICC_TCH_TD1583_SOP8, "IC; Buck regulator; TD1583", Manufacturer="Techcode Semicon", MPN=TD1583PR, Package (Case)=SOP8, Component Type=IC, Mounting Type=SMD
PCB801: Component Type="PCB Marking"

## Free pads (board coordinates)
  round 0 hole 3.2 unplated mask+0.1: MH(2.8,3.3) MH(2.8,51.7) MH(117.2,51.7) MH(117.2,3.3)

## Via types
v1: diameter 0.55, hole 0.25, L1 [TOP] to L4 [BOT], 273 vias
v2: diameter 0.6, hole 0.3, L1 [TOP] to L4 [BOT], 225 vias
v3: diameter 0.5, hole 0.2, L1 [TOP] to L4 [BOT], 77 vias
v4: diameter 0.6, hole 0.3, L1 [TOP] to L4 [BOT], tented both sides, 70 vias

## Nets (pads, with @x,y where several pads share a name; then routed paths per layer and width w, separated by ;. In a path a pad name is that pad's centre, name@x,y a point inside that pad or via, vN(x,y) a via of type N, cw(c..) or ccw(c..) an arc to the next point about the centre after c; other vN are vias at no path point)
3V3P_FB: C914.1 R904.1 R905.2 U900.1 | length 7.1
  L1 [TOP] w0.3: R905.2@15.6,13.8 C914.1@15.6,15.55 R904.1@15.6,16.95 17.75,16.95 v1(18.55,17.75)
  L4 [BOT] w0.3: U900.1@18.55,17.1 v1(18.55,17.75)
+1V8: MOD100.88 MOD100.90 TP924.1 | length 3.7
  L1 [TOP] w0.2: MOD100.90@22.2,44.92 v1(22.2,45.82) 22.33,45.82 22.6,45.55 MOD100.88@22.6,44.92
  L4 [BOT] w0.5: TP924.1@21.35,44.5 22.2,45.35 v1(22.2,45.82)